# Altium PCB Urukul.PcbDoc (part 10 of 12)
Units mm, origin at the board's own origin, x right, y up, seen from the top; angles counter-clockwise.
Board outline 160.99 x 100 mm, 6 copper layers (L1, P2, L3, L4, P5, L6), stack 1.648 mm thick; 971 components, 541 nets, 3373 pads, 2358 vias.
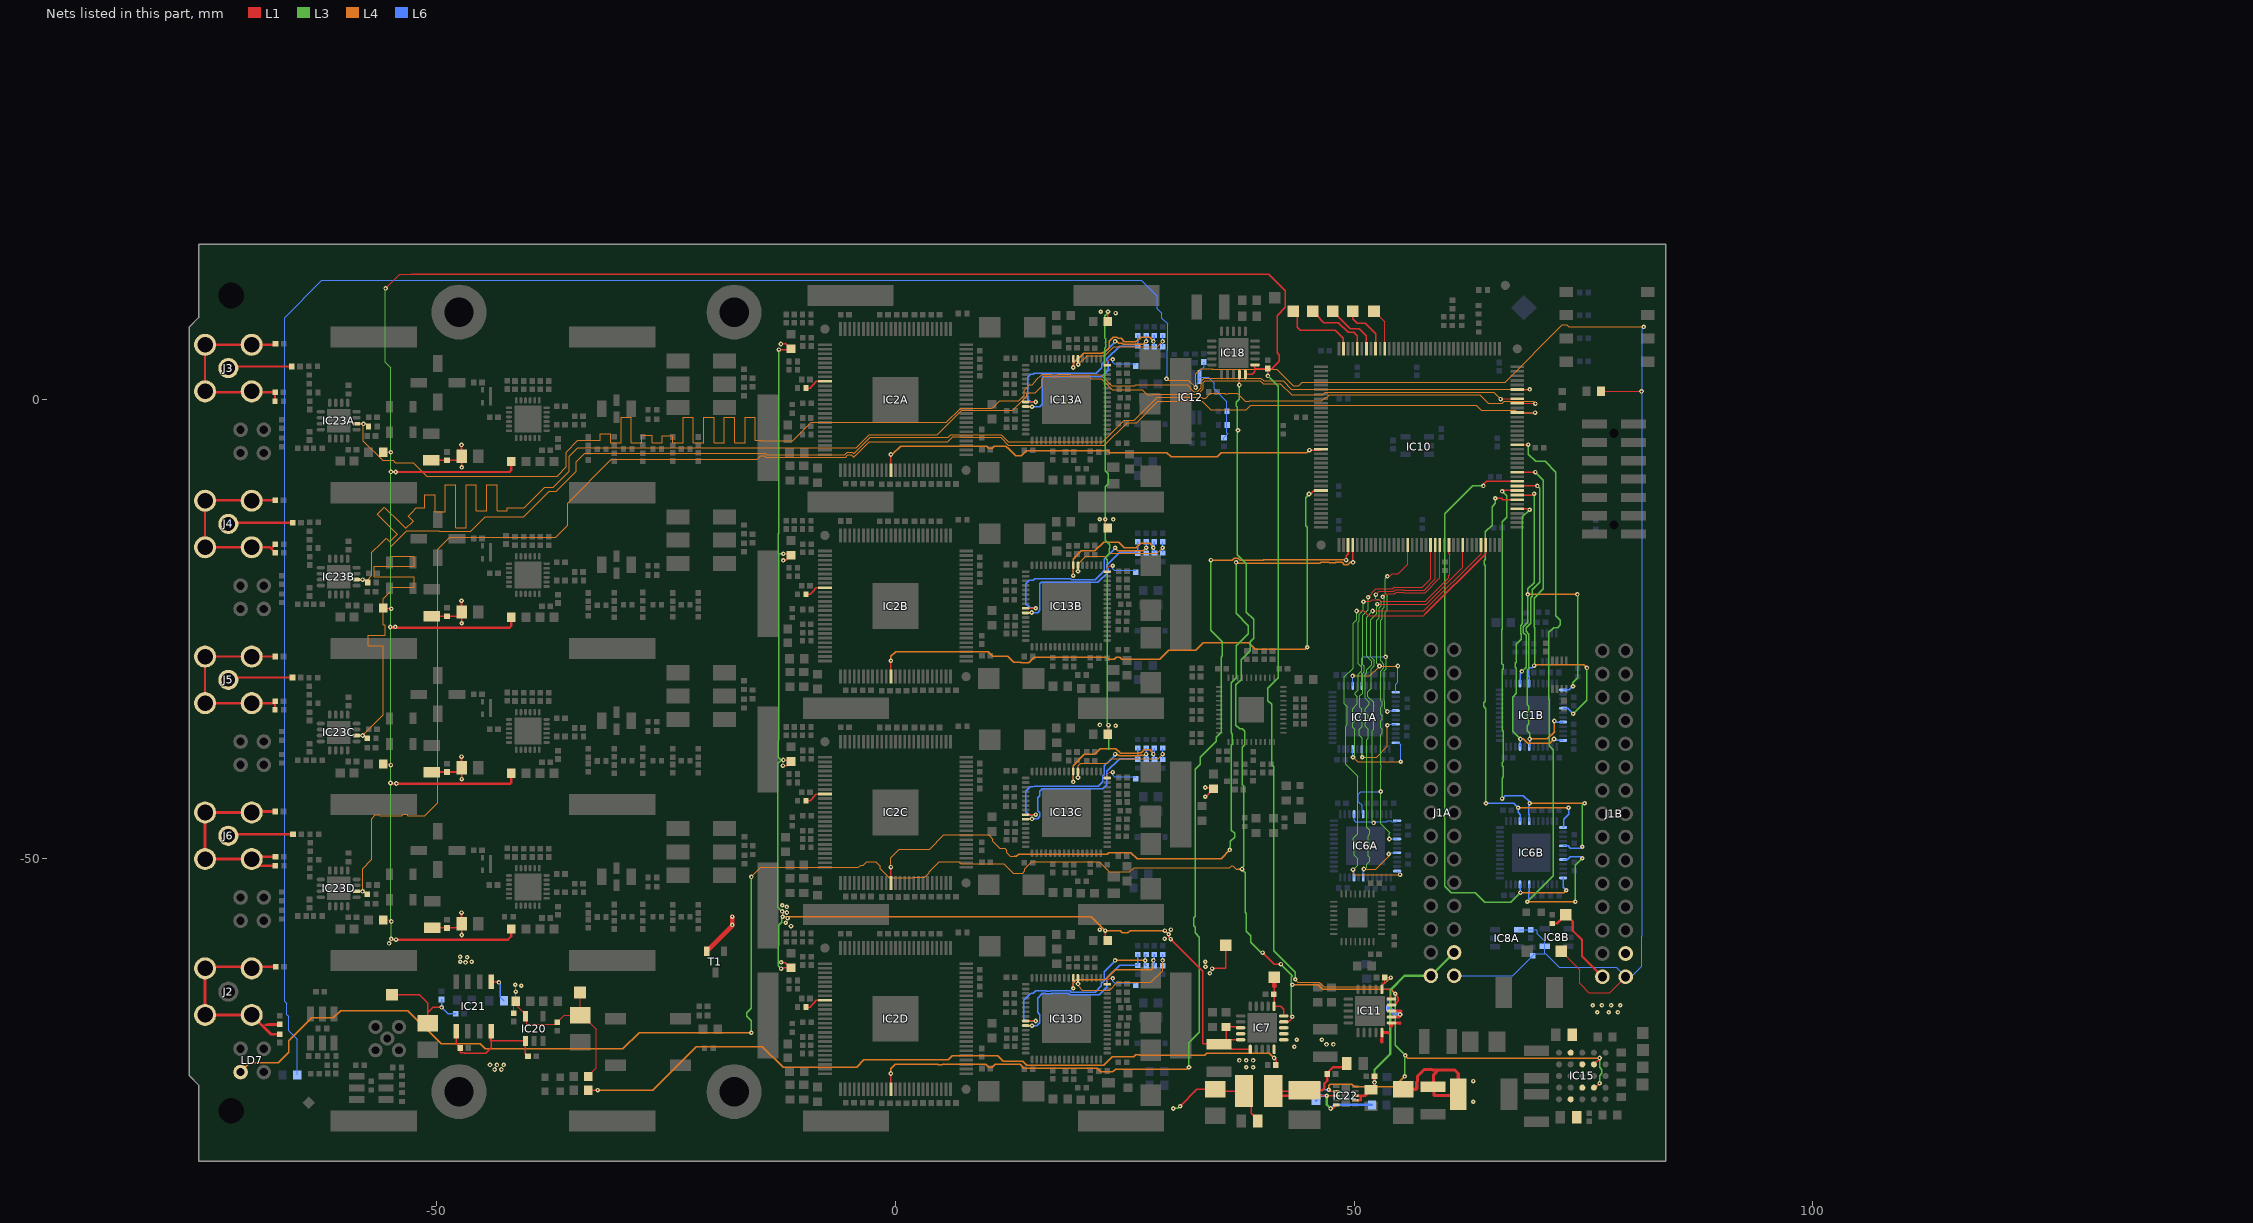
[diagram p14: the nets of this part, all layers, seen from the top]

## Via types
v1: diameter 0.5, hole 0.2, L1 to L6, tented both sides, 2267 vias
v2: diameter 0.6, hole 0.3, L1 to L6, tented both sides, 88 vias
v3: diameter 0.5, hole 0.2, L1 to L6, 3 vias

## Nets (pads, with @x,y where several pads share a name; then routed paths per layer and width w, separated by ;. In a path a pad name is that pad's centre, name@x,y a point inside that pad or via, vN(x,y) a via of type N, cw(c..) or ccw(c..) an arc to the next point about the centre after c; other vN are vias at no path point) (continued)
P3V3_MP: C10A.2 C10B.2 C48.2 IC8A.4 IC8B.4 IC12.8 J1A.30 J1B.30 R116.2 R120.1 R121.2 R122.2 R143.2 TP14.1 | length 372.8
  L1 w0.127: v1(32.728,1.331) v1@32.728,1.433 ; TP14.1@72.6,-60.153 74.6,-62.153 74.6,-63.653 75.6,-64.653 77.9,-64.653 J1B.30@79.62,-62.933 ; R116.2@76.937,0.925 81.318,0.925 v1(81.344,0.9)
  L4 w0.127: v1(29.553,2.271) 29.68,2.144 31.915,2.144 v1(32.728,1.331) 32.728,2.805 33.286,3.363 34.532,3.363 34.557,3.338 41.567,3.338 43.371,1.535 43.955,1.535 44.336,1.916 66.485,1.916 72.718,8.148 73.211,8.148 73.424,7.935 v1(81.598,7.935)
  L6 w0.127: R143.2@-65.252,-73.624 -65.252,-69.75 -66.179,-68.823 -66.179,-67.223 -66.357,-67.045 -66.357,-65.852 -66.611,-65.598 -66.611,8.951 -62.547,13.015 26.814,13.015 28.537,11.292 28.537,9.934 29.038,9.433 29.038,8.904 29.68,8.262 29.68,5.443 29.631,5.394 29.631,2.349 v1@29.591,2.309 ; v1(29.553,2.271) 29.561,2.264 v1@29.637,2.264 ; v1(32.728,1.331) 32.91,1.513 32.91,1.805 33.144,2.04 IC12.8@33.144,2.465 ; C48.2@33.617,4.107 33.668,4.056 33.668,3.567 33.144,3.043 IC12.8@33.144,2.465 ; R120.1@35.789,-4.358 R120.1@35.789,-4.153 ; R120.1@35.814,-4.153 36.245,-3.721 36.119,-3.595 36.119,-2.758 36.119,-1.259 36.119,-0.204 34.735,1.18 34.735,1.814 34.084,2.465 IC12.8@33.144,2.465 ; J1A.30@60.917,-62.822 67.281,-62.822 C10B.2@69.475,-60.628 69.675,-60.428 70.779,-60.428 ; IC8A.4@67.975,-57.778 67.989,-57.792 69.275,-57.792 70,-57.792 70,-58.263 70.779,-59.042 70.779,-59.578 70.779,-60.428 ; v1(81.598,7.935) 81.42,7.758 81.42,0.9 81.42,-58.46 81.369,-58.511 81.369,-61.788 80.224,-62.933 J1B.30@79.62,-62.933 78.605,-61.917 72.404,-61.917 70.914,-60.428 70.779,-60.428
P3V3A: C78.2 IC7.1 IC7.18 IC7.19 IC7.20 L14.2 L15A.2 L15B.2 L15C.2 L15D.2 L18A.2 L18B.2 L18C.2 L18D.2 R23.2 T1.2 TP13.1 | length 210.4
  L1 w0.152: v1(-12.721,5.458) -11.489,5.458 L15A.2@-11.4,5.547 -12.016,6.164 -12.05,6.13 -12.05,6.097 -12.475,6.097 v1(-12.5,6.072) ; v1(-12.475,-61.353) -12.425,-61.403 -12,-61.403 ; v1(-12.471,-62.042) -12.382,-61.953 L15D.2@-11.45,-61.953 ; v1(-12.275,-39.903) -11.85,-39.903 L15C.2@-11.4,-39.453 -11.561,-39.292 v1(-12.221,-39.292) ; v1(-12.25,-17.528) -12.225,-17.503 -12,-17.503 -12.016,-17.519 -12.016,-17.528 -12.016,-17.569 L15B.2@-11.4,-16.953 -11.543,-16.809 -12.221,-16.809 v1(-12.221,-16.792) ; -12.041,-61.361 -12,-61.403 ; L15D.2@-11.4,-61.953 L15D.2@-11.45,-61.953 ; v1(22.878,-57.891) 22.878,-58.721 L18D.2@23.148,-58.991 ; v1(22.878,-13.042) 22.878,-13.721 L18B.2@23.148,-13.991 ; L18C.2@23.148,-36.491 23.148,-35.791 23.098,-35.741 23.077,-35.741 23.226,-35.592 v1(23.226,-35.49) ; L18A.2@23.148,8.509 23.148,9.209 23.098,9.259 23.175,9.335 v1(23.175,9.595) ; v1(29.779,-58.292) 29.779,-58.58 v1(30.02,-58.821) 33.529,-62.33 33.529,-70.229 33.539,-70.24 34.051,-70.24 34.331,-70.52 34.727,-70.52 35.007,-70.24 35.007,-70.103 35.279,-70.103 C78.2@35.88,-70.103 ; v1(33.779,-43.292) 33.895,-43.176 33.943,-43.176 L14.2@34.693,-42.426 34.559,-42.292 v1(33.779,-42.292) ; v1(34.529,-62.042) 34.571,-62 36,-62 TP13.1@36,-59.5 ; IC7.20@37.637,-69.794 36.189,-69.794 C78.2@36.05,-69.933 ; IC7.18@37.637,-68.494 37.546,-68.403 R23.2@36.05,-68.403 C78.2@36.05,-69.933 ; IC7.1@38.687,-70.844 36.702,-70.844 35.961,-70.103 C78.2@35.88,-70.103 ; -12,-61.403 L15D.2@-11.45,-61.953 ; C78.2@35.88,-70.103 C78.2@36.05,-69.933
  L1 w0.5: T1.2@-20.584,-60.166 -17.805,-57.387 v1(-17.805,-57.277) v1(-17.805,-56.363)
  L3 w0.152: v1(-12.721,5.458) -12.721,-10.292 -12.721,-14.57 -12.797,-14.647 -12.797,-16.716 -12.721,-16.792 ; v1(-12.471,-62.042) -12.797,-61.716 -12.797,-61.353 -12.797,-59.647 -12.721,-59.57 -12.721,-57.292 -12.4,-56.971 -12.4,-56.381 v1(-12.311,-56.381) ; v1@-12.221,-56.203 -12.221,-55.798 -12.221,-55.792 -12.373,-55.792 -12.4,-55.792 -12.826,-55.366 -12.826,-39.647 v1@-12.471,-39.292 ; v1(-12.221,-39.292) v1@-12.471,-39.292 ; v1(-12.221,-16.792) -12.721,-16.792 ; v1(23.175,9.595) 23.175,9.465 22.843,9.133 22.843,6.714 22.911,6.645 22.911,6.249 22.844,6.182 22.916,6.11 22.916,5.714 22.843,5.641 22.843,1.48 22.878,1.445 22.878,-7.737 23.203,-8.062 23.203,-9.188 22.878,-9.513 v1(22.878,-13.042) 22.878,-15.329 23.356,-15.807 23.356,-16.203 23.29,-16.269 23.29,-16.813 22.878,-17.226 23.104,-17.452 23.104,-35.369 v1(23.226,-35.49) 23.226,-38.149 ; -12.721,-16.792 -12.721,-37.07 -12.797,-37.147 -12.797,-38.966 v1@-12.471,-39.292
  L4 w0.152: v1(-12.311,-56.381) -11.763,-56.381 21.368,-56.381 v1(22.878,-57.891) 24.487,-57.891 24.701,-58.106 24.923,-58.106 24.97,-58.153 25.35,-58.153 25.611,-57.891 v1(29.378,-57.891) v1(29.779,-58.292)
  other v1: 38.25,-72.803 39,-72.803 37.5,-72.053 38.25,-72.053 39,-72.053 34.279,-62.542 33.8,-61.843 33.779,-61.292 29.347,-58.782 22.279,-57.792 30.029,-57.792 -11.4,-57.403 -11.971,-57.042 -11.763,-56.535 -11.84,-55.925 -12.373,-55.798 -11.865,-55.316 -12.348,-55.138 24,-35.553 22.286,-35.464 23.75,-13.053 22.279,-13.042 24,9.447 22.387,9.595
P3V6: C63.1 C74.1 C75.2 C77.2 C160.1 IC7.5 IC7.6 IC7.7 IC7.8 IC7.10 IC7.11 IC11.5 IC11.6 IC11.7 IC11.8 L2.2 R5.2 TP15.1 | length 107.9
  L1 w0.152: R5.2@-33.495,-75.297 -32.477,-75.297 v1(-32.471,-75.292) ; C63.1@41.229,-72.542 41.354,-72.417 41.529,-72.242 41.529,-72.042 v1(41.279,-71.792) ; 41.3,-63.952 41.287,-63.966 41.287,-64.853 IC7.11@41.287,-66.144 42.012,-66.144 42.337,-66.469 IC7.10@42.337,-67.194
  L1 w0.35: 53.037,-69.739 IC11.5@53.037,-69.011 53.697,-69.011 53.718,-69.032 ; 54.059,-68.339 54.087,-68.339 IC11.6@54.087,-67.961 54.983,-67.961 55.013,-67.99 ; IC11.7@54.087,-67.311 54.918,-67.311 54.937,-67.33 ; IC11.8@54.087,-66.661 55.029,-66.661 55.08,-66.661 55.115,-66.695 ; C74.1@55.35,-75.203 55.351,-75.204 56.766,-75.204 56.842,-75.128 56.842,-74.417 56.918,-74.34 56.918,-73.782 57.655,-73.045 58.493,-73.045 58.544,-73.096 59.179,-73.096 ; 59.179,-73.096 60.982,-73.096 61.365,-73.479 L2.2@61.365,-75.75 61.251,-75.864 58.722,-75.864 58.722,-75.024 C75.2@58.6,-74.903 58.671,-74.832 58.671,-73.604 59.179,-73.096
  L1 w0.406: 53.032,-69.997 53.037,-69.992 53.037,-69.739
  L1 w0.5: TP15.1@41.3,-62.992 41.3,-63.952 41.35,-63.903
  L4 w0.152: v1(-32.471,-75.292) -26.471,-75.292 -21.721,-70.542 -14.532,-70.542 -12.267,-72.807 -4.254,-72.807 -3.447,-72 5.727,-72 6.202,-71.525 11.147,-71.525 11.75,-72.128 13.862,-72.128 14.297,-72.562 22.717,-72.562 23.619,-71.661 25.97,-71.661 26.189,-71.442 26.585,-71.442 26.643,-71.5 33.714,-71.5 33.942,-71.272 40.759,-71.272 v1(41.279,-71.792)
  L6 w0.152: v1(55.029,-67.042) v1@55.072,-66.998
  L6 w0.5: C160.1@53.823,-66.363 54.502,-67.042 v1(55.029,-67.042)
  other v1: 63,-76.553 63,-74.303 43.5,-70.553 47,-70.303 47.75,-70.303 43.75,-69.803 46.5,-69.803
P5V0A: C79.1 C165.2 C168.2 C170.2 C173.2 IC11.10 IC11.11 IC18.10 IC18.11 IC20.5 L6A.2 L6B.2 L6C.2 L6D.2 L7A.1 L7B.1 L7C.1 L7D.1 R131.2 R139.2 TP16.1 | length 373.2
  L1 w0.127: L6D.2@-55.875,-56.728 -55.15,-56.728 v1(-54.975,-56.903) ; L6C.2@-55.875,-39.728 -55.15,-39.728 v1(-55.025,-39.853) ; L6B.2@-55.875,-22.728 -55.05,-22.728 v1(-54.975,-22.803) ; L6A.2@-55.875,-5.728 v1(-55.025,-5.728) ; v1(-55.601,12.141) -54.057,13.685 -52.819,13.685 ; v1(-55.096,-24.786) -55.071,-24.811 -54.55,-24.811 -47.525,-24.811 -47.493,-24.843 -44.003,-24.843 ; v1(-55.02,-7.87) -54.969,-7.819 -54.5,-7.819 -47.517,-7.819 -47.493,-7.843 -44.351,-7.843 ; v1(-54.995,-58.797) -54.918,-58.873 v1(-54.471,-58.873) ; C173.2@-41.62,-66.903 -41.62,-65.803 R131.2@-41.42,-65.603 ; v1(-41.471,-63.792) -41.42,-63.844 v1(-41.42,-64.542) R131.2@-41.42,-65.603 ; TP16.1@-34.4,-64.653 -34.37,-64.683 C79.1@-34.37,-67.153 ; R139.2@-33.495,-73.797 -33.495,-73.747 -32.62,-72.872 -32.62,-68.644 -34.111,-67.153 C79.1@-34.37,-67.153 ; 53.87,-64.968 53.87,-64.437 53.744,-64.311 IC11.11@53.037,-64.311 53.061,-64.287 53.061,-63.576 53.315,-63.576 53.34,-63.551 C165.2@53.34,-63 53.983,-63 v1(54,-63.017) ; R131.2@-41.42,-65.603 -41.42,-65.972 -40.35,-67.042 IC20.5@-40.35,-67.231 -40.221,-67.36 -40.221,-68.106 -37.073,-68.106 C170.2@-36.87,-67.903 -36.12,-67.153 C79.1@-34.37,-67.153
  L1 w0.152: -52.819,13.672 40.709,13.672 42.494,11.887 42.494,10.058 41.6,9.164 41.6,5.097 41.85,4.847 41.85,4.244 41.803,4.197 41.803,4.16 41.11,3.467 41.11,3.397 C168.2@40.6,3.397 ; IC18.10@38.15,2.747 38.9,2.747 39.2,3.047 39.2,3.397 ; IC18.11@39.2,3.797 39.2,3.397 ; v1(40.6,2.597) C168.2@40.6,3.397 ; 53.87,-64.968 53.87,-65.298 53.933,-65.361 IC11.10@54.087,-65.361 ; 39.2,3.397 C168.2@40.6,3.397
  L1 w0.254: v1(-55.071,-41.804) -54.993,-41.882 -54.425,-41.882 -42.004,-41.882 -41.875,-41.753 -41.9,-41.728 L7C.1@-41.9,-40.728 ; v1@-55.071,-24.811 -55.001,-24.882 -54.55,-24.882 -47.091,-24.882 -47.087,-24.878 -42.1,-24.878 -41.9,-24.678 L7B.1@-41.9,-23.728 ; v1(-55.02,-7.87) -55.008,-7.882 v1(-54.5,-7.882) -42.104,-7.882 -41.9,-7.678 L7A.1@-41.9,-6.728 ; v1(-54.471,-58.873) -54.463,-58.882 -42.279,-58.882 -41.9,-58.503 L7D.1@-41.9,-57.728
  L3 w0.127: v1(-55.601,12.141) -55.651,12.09 -55.651,4.089 -55.025,3.463 v1(-55.025,-5.728) -55.025,-7.87 -55.025,-22.803 -55.025,-24.786 v1(-55.025,-39.853) -55.025,-41.804 -55.025,-56.853 v1(-54.975,-56.903) -54.995,-56.922 v1(-54.995,-58.797)
  L3 w0.152: v1(40.6,2.597) 41.757,1.441 41.757,-3.418 41.732,-3.443 41.732,-4.05 41.757,-4.075 41.757,-30.314 40.594,-31.477 40.594,-32.823 41.005,-33.234 41.005,-39.813 41.234,-40.042 41.234,-60.096 43.586,-62.449 v1(43.586,-63.195)
  L4 w0.127: v1(43.586,-63.195) 43.586,-63.246 43.866,-63.526 46.196,-63.526 46.703,-64.033 52.984,-64.033 v1(54,-63.017)
  other v1: -40.815,-63.913 -55.221,-59.292 -54.425,-41.853 -54.55,-24.778
P7V0A: C12A.2 C12B.2 C12C.2 C12D.2 C27A.2 C27B.2 C27C.2 C27D.2 C155.1 C175.2 C177.2 IC21.1 R133.2 R137A.1 R137B.1 R137C.1 R137D.1 TP17.1 | length 38.8
  L1 w0.17: TP17.1@-54.9,-64.903 -51.9,-64.903 -51,-65.803 -51,-66.821 ; C155.1@-51,-68.003 -51,-66.821 ; R137D.1@-50.9,-57.603 R137D.1@-50.524,-57.604 C27D.2@-48.9,-57.603 -47.75,-57.603 C12D.2@-47.3,-57.153 ; R137C.1@-50.9,-40.603 -50.549,-40.603 C27C.2@-48.9,-40.603 -47.75,-40.603 C12C.2@-47.3,-40.153 ; R137B.1@-50.9,-23.603 -50.575,-23.603 C27B.2@-48.9,-23.603 -47.75,-23.603 C12B.2@-47.3,-23.153 ; R137A.1@-50.9,-6.603 -50.6,-6.603 C27A.2@-48.9,-6.603 -47.75,-6.603 C12A.2@-47.3,-6.153 ; v1(-49.5,-66.263) -50.443,-66.263 -51,-66.821 ; v1(-47.325,-55.928) -47.325,-57.128 C12D.2@-47.3,-57.153 ; v1(-47.325,-38.928) -47.325,-40.128 C12C.2@-47.3,-40.153 ; v1(-47.325,-21.928) -47.325,-23.128 C12B.2@-47.3,-23.153 ; v1(-47.325,-4.928) -47.325,-6.128 C12A.2@-47.3,-6.153 ; v1(-47.3,-58.378) C12D.2@-47.3,-57.153 ; v1(-47.3,-41.378) C12C.2@-47.3,-40.153 ; v1(-47.3,-24.378) C12B.2@-47.3,-23.153 ; v1(-47.3,-7.378) C12A.2@-47.3,-6.153 ; IC21.1@-44.095,-63.467 -43.325,-63.467 v1(-43.25,-63.542)
  L6 w0.17: C175.2@-49.5,-65.403 v1(-49.5,-66.263) -48.811,-66.953 C177.2@-47.95,-66.953 ; v1@-43.12,-63.672 -43.12,-65.133 R133.2@-42.7,-65.553
  other v1: -46.892,-61.361 -47.471,-61.292 -46.221,-61.292 -46.721,-60.792 -47.476,-60.751
P7V5: C178.2 C179.2 IC22.8 IC22.10 L4.2 L5.1 R53.2 R134.2 | length 26.4
  L1 w0.152: L5.1@41.2,-75.403 44.5,-75.403 L4.2@44.6,-75.303 45.2,-75.903 v1(47.029,-75.903) IC22.8@48.05,-75.903
  L1 w0.254: L5.1@41.2,-75.403 41.7,-75.903 44.6,-75.903 L4.2@45.2,-75.903 ; L4.2@44.6,-75.303 46.552,-75.303 46.737,-75.117 46.737,-74.616 47.079,-74.274 C178.2@47.079,-73.542 47.079,-73.428 47.714,-72.792 48.811,-72.792 C179.2@49.2,-72.403 ; v1(47.45,-77.292) 47.661,-77.292 IC22.10@48.05,-76.903
  L3 w0.254: v1(47.029,-75.903) 47.029,-76.871 v1(47.45,-77.292)
  L6 w0.254: R53.2@45.847,-76.441 46.438,-75.85 46.491,-75.903 v1(47.029,-75.903) ; v1(47.45,-77.292) 47.839,-76.903 R134.2@51.95,-76.903
P7V5A: C156.1 C171.2 C174.2 C183.2 IC20.1 IC21.5 IC21.8 L5.2 | length 27.3
  L1 w0.152: IC21.5@-47.905,-68.867 -47.905,-70.23 -47.927,-70.251 C174.2@-47.475,-70.703 -47.475,-71.213 -47.441,-71.213 -47.431,-71.203 -47.018,-71.203 -46.95,-71.27 -44.699,-71.27 -44.095,-70.666 -44.095,-69.931 ; C171.2@-40.07,-71.603 -40.35,-71.322 IC20.1@-40.35,-69.931 -44.095,-69.931 ; v1(31.029,-77.042) 32.868,-75.203 C156.1@34.85,-75.203 35.05,-75.403 L5.2@38,-75.403 38.779,-76.181 38.779,-77.816 39.5,-78.538 C183.2@39.5,-78.653 ; -44.095,-69.931 -44.207,-69.931 -44.207,-68.979 IC21.8@-44.095,-68.867 -44.095,-69.931
  L3 w0.152: v1(30.279,-77.292) 30.779,-77.292 v1(31.029,-77.042)
  other v1: -43.721,-73.042 -42.971,-73.042 -44.221,-72.542 -43.471,-72.542 -42.721,-72.542
P12V0: C64.2 C70.2 C181.2 C182.2 IC15.A2 IC15.B3 IC15.D3 IC15.E2 IC22.2 IC22.3 J1A.28 J1A.29 J1B.28 J1B.29 R33.2 TP18.1 | length 34.5
  L1 w0.254: IC22.2@50.15,-76.403 50.7,-76.403 50.75,-76.353 50.75,-75.931 50.779,-75.903 ; IC22.3@50.15,-75.903 50.779,-75.903 ; C181.2@52.229,-73.792 v1(52.229,-74.453) 52.229,-74.874 C182.2@51.85,-75.253 51.184,-75.919 51.167,-75.903 50.779,-75.903 ; R33.2@71.6,-57.123 72.13,-57.123 TP18.1@73.1,-56.153 73.85,-56.903 ; 73.876,-56.929 73.85,-56.903 ; J1B.29@77.08,-62.933 74.85,-60.702 74.85,-58.903 73.85,-57.903 73.85,-56.903
  L3 w0.254: v1(52.229,-74.453) 52.229,-73.065 53.962,-71.332 53.962,-64.359 55.499,-62.822 J1A.29@58.377,-62.822 J1A.28@60.917,-60.282
  other v1: 76.529,-66.792 77.779,-66.792 78.779,-66.792 76.029,-66.042 77.029,-66.042 78.029,-66.042 79.029,-66.042
PGOOD: IC7.9 IC11.9 IC15.B4 IC15.D4 IC18.9 IC22.7 LD7.2 R53.1 | length 274
  L1 w0.152: v1(37.5,1.597) IC18.9@37.5,2.747 ; v1(40.029,-60.292) 41.279,-61.542 v1(42.029,-61.542) ; IC7.9@42.337,-67.844 42.835,-67.844 43.137,-67.542 ; v1(47.241,-75.254) 47.389,-75.403 IC22.7@48.05,-75.403 ; IC11.9@54.087,-66.011 54.437,-66.011 54.673,-65.775 54.673,-65.695 54.84,-65.528 54.84,-65.194 v1@54.604,-64.958 ; IC15.D4@76.16,-75.02 76.301,-75.02 v1(76.779,-74.542) ; IC15.B4@76.16,-72.48 76.779,-71.861 v1(76.779,-71.792)
  L3 w0.152: v1(-15.721,-69.042) -15.721,-67.718 -16.199,-67.24 -16.199,-66.844 -15.721,-66.366 v1@-15.721,-52.042 ; v1(37.5,1.597) 37.5,0.036 37.162,-0.302 37.162,-0.698 37.25,-0.786 37.25,-3.342 37.25,-16.903 38.25,-17.903 38.25,-23.154 39.053,-23.957 39.053,-25.999 38.672,-26.38 38.672,-27.396 37.686,-28.382 37.686,-30.534 37.118,-31.102 37.118,-35.488 37.54,-35.909 37.818,-35.909 38.083,-36.175 38.083,-37.62 37.822,-37.882 37.822,-38.257 37.822,-41.615 37.822,-41.991 37.948,-42.117 37.948,-50.856 v1@37.75,-51.054 ; v1(37.783,-51.196) 37.783,-51.207 38.102,-51.526 38.113,-51.526 38.113,-55.905 38.265,-56.057 38.265,-57.992 38.757,-58.483 38.757,-59.159 39.889,-60.292 v1(40.029,-60.292) ; v1(42.029,-61.542) 43.278,-62.792 43.278,-62.863 43.133,-63.008 43.133,-63.792 43.133,-67.147 v1(43.278,-67.292) ; v1(54.491,-64.784) 54.491,-70.41 v1(55.583,-71.502) 55.528,-71.557 v1(55.528,-73.792) ; v1(76.779,-74.542) 76.779,-73.718 77.031,-73.466 77.031,-73.061 76.779,-72.808 v1(76.779,-71.792)
  L4 w0.127: v1(-15.721,-52.042) -14.677,-50.998 -4.067,-50.998 -3.813,-50.744 -3.497,-50.744 -3.116,-50.363 -2.162,-50.363 -1.668,-50.857 -1.668,-51.162 -0.69,-52.14 1.894,-52.14 1.944,-52.09 3.206,-52.09 3.705,-51.59 3.705,-51.455 4.781,-50.38 6.897,-50.38 7.134,-50.617 11.782,-50.617 12.812,-51.647 13.848,-51.647 14.106,-51.389 14.106,-51.164 14.863,-50.406 22.242,-50.406 23.308,-51.473 25.561,-51.473 26.018,-51.016 36.458,-51.016 36.643,-50.83 36.771,-50.83 37.137,-51.196 37.25,-51.196
  L4 w0.152: LD7.2@-71.42,-73.323 -70.417,-72.32 -67.317,-72.32 -66.15,-71.153 -66.15,-69.903 -63.65,-67.403 -61.295,-67.403 -60.516,-66.624 -53.179,-66.624 -49.56,-70.243 -45.271,-70.243 -44.721,-70.792 -29.721,-70.792 -27.971,-69.042 v1(-15.721,-69.042) ; 37.25,-51.196 v1(37.783,-51.196) ; v1(43.279,-63.792) 46.085,-63.792 46.604,-64.311 54.018,-64.311 v1(54.491,-64.784) ; v1(47.241,-75.254) 47.241,-74.83 47.418,-74.653 49.774,-74.653 50.052,-74.931 54.39,-74.931 v1(55.528,-73.792) ; v1@55.569,-71.502 v1(55.583,-71.502) 55.873,-71.792 v1(76.779,-71.792)
  L6 w0.152: v1(37.351,-3.342) v1@37.447,-3.342 ; R53.1@45.847,-74.841 46.26,-75.254 v1(47.241,-75.254)
R\E\_DE0: IC1A.1 IC1A.40 IC10.58 | length 28.8
  L1 w0.127: v1(52.39,-21.25) 52.758,-20.882 54.316,-20.882 54.481,-20.718 55.406,-20.718 55.443,-20.755 57.635,-20.755 58.85,-19.54 IC10.58@58.85,-15.853
  L3 w0.127: v1(52.39,-21.25) 52.39,-21.683 52.489,-21.783 52.677,-21.783 52.994,-22.099 52.994,-22.485 52.773,-22.706 52.773,-23.769 52.498,-24.044 52.498,-28.761 v1(52.778,-29.042)
  L4 w0.127: v1(49.85,-30.113) 51.707,-30.113 v1(52.778,-29.042) v1(54.779,-29.042)
  L6 w0.127: IC1A.40@49.85,-31.203 v1(49.85,-30.113) ; IC1A.1@54.55,-31.903 54.55,-31.021 54.779,-30.792 v1(54.779,-29.042)
R\E\_DE1: IC1A.5 IC1A.42 IC10.52 | length 26.8
  L1 w0.127: v1(53.64,-19.25) 53.89,-19.25 54.14,-19 54.81,-19 55.85,-17.96 IC10.52@55.85,-15.853
  L3 w0.127: v1(53.64,-34) 53.345,-33.704 53.345,-32.844 53.313,-32.813 53.313,-29.56 53.523,-29.35 53.523,-28.117 v1(53.448,-28.042) 53.39,-27.984 53.39,-23.158 53.605,-22.943 53.605,-21.693 53.606,-21.307 53.39,-21.092 53.39,-19.5 v1(53.64,-19.25)
  L6 w0.127: IC1A.42@50.85,-31.203 50.85,-30.377 50.849,-28.221 51.029,-28.042 v1(53.448,-28.042) ; v1(53.64,-34) 53.737,-33.903 IC1A.5@54.55,-33.903
R\E\_DE2: IC1A.8 IC1A.19 IC10.57 | length 37.3
  L1 w0.127: v1(51.529,-21.542) 51.925,-21.146 51.925,-21.057 52.378,-20.603 54.2,-20.603 54.34,-20.464 55.511,-20.464 55.524,-20.476 57.414,-20.476 58.35,-19.54 IC10.57@58.35,-15.853
  L3 w0.127: v1(50.89,-39) 50.89,-36.943 50.55,-36.603 50.55,-35.953 50.875,-35.628 50.875,-35.086 50.634,-34.845 50.634,-34.46 50.675,-34.419 50.675,-34.236 50.815,-34.095 50.815,-33.71 50.634,-33.529 50.634,-32.306 50.932,-32.008 50.932,-29.873 51.119,-29.686 51.119,-29.069 50.932,-28.882 50.932,-23.504 51.529,-22.907 v1(51.529,-21.542)
  L4 w0.127: v1(50.89,-39) 52.453,-39 53.64,-37.813 v1(53.64,-35.5)
  L6 w0.127: IC1A.19@50.85,-38.103 50.85,-38.96 v1(50.89,-39) ; v1(53.64,-35.5) 53.737,-35.403 IC1A.8@54.55,-35.403
R\E\_DE3: IC1A.12 IC1A.21 IC10.61 | length 41.4
  L1 w0.127: v1(51.029,-22.042) 51.063,-22.008 51.791,-22.008 51.972,-21.827 52.721,-21.827 52.895,-22 57.745,-22 60.35,-19.395 60.35,-19.138 60.419,-19.069 60.419,-16.833 60.35,-16.764 IC10.61@60.35,-15.853
  L3 w0.127: v1(49.89,-39) 50.066,-38.824 50.066,-35.96 49.85,-35.744 49.85,-35.211 50.216,-34.845 50.216,-34.46 49.85,-34.094 49.85,-33.678 50.356,-33.172 50.356,-32.369 50.329,-32.369 50.158,-32.198 50.158,-31.957 50.466,-31.65 50.466,-29.944 50.84,-29.57 50.84,-29.185 50.466,-28.81 50.466,-24.207 50.558,-24.115 50.558,-23.421 51.029,-22.95 v1(51.029,-22.042)
  L4 w0.127: v1(49.89,-39) 50.393,-39.503 51.525,-39.503 51.55,-39.478 v1(55.1,-39.478)
  L6 w0.127: IC1A.21@49.85,-38.103 49.85,-38.96 v1(49.89,-39) ; IC1A.12@54.55,-37.403 54.875,-37.403 55.1,-37.628 v1(55.1,-39.478)
R\E\_DE4: IC6A.1 IC6A.40 IC10.64 | length 44.1
  L1 w0.127: v1(52.14,-46.151) v1@52.14,-46.055 ; v1(52.529,-22.292) 57.848,-22.292 61.85,-18.29 IC10.64@61.85,-15.853
  L3 w0.127: v1(52.14,-46.151) 51.985,-45.995 51.985,-36.11 52.14,-35.954 52.14,-34.851 52.134,-34.845 52.134,-34.46 52.14,-34.454 52.14,-33.351 52.134,-33.345 52.134,-32.994 51.515,-32.375 51.515,-31.862 51.89,-31.486 51.89,-29.364 52.219,-29.036 52.219,-28.419 51.813,-28.013 51.813,-24.013 52.494,-23.332 52.494,-22.559 52.529,-22.524 v1(52.529,-22.292)
  L6 w0.127: IC6A.40@50,-45.203 50,-45.865 50.005,-45.865 50.14,-46 52.14,-46 53.594,-46 53.657,-45.937 54.043,-45.937 54.106,-46 54.603,-46 IC6A.1@54.7,-45.903 ; v1(52.14,-46.151) v1@52.14,-46.055
R\E\_DE5: IC6A.5 IC6A.42 IC10.59 | length 44.4
  L1 w0.127: v1(53.14,-21.5) 53.479,-21.161 54.432,-21.161 54.621,-20.972 55.3,-20.972 55.363,-21.034 57.75,-21.034 59.35,-19.435 IC10.59@59.35,-15.853
  L3 w0.127: v1(53.14,-21.5) 53.273,-21.633 53.273,-22.617 53.052,-22.838 53.052,-23.884 52.89,-24.046 52.89,-28.495 53.244,-28.849 53.244,-29.235 52.89,-29.589 52.89,-31.896 52.915,-31.921 52.915,-32.809 53.065,-32.96 53.065,-33.345 52.89,-33.521 52.89,-34.284 53.065,-34.46 53.065,-34.845 52.89,-35.021 52.89,-35.784 53.065,-35.96 53.065,-36.345 52.89,-36.521 52.89,-39.784 52.941,-39.835 52.941,-40.22 52.89,-40.271 52.89,-42.729 52.89,-43.059 52.916,-43.085 52.916,-43.47 52.89,-43.496 52.89,-46.218 53.89,-47.218 53.85,-47.258 v1(53.85,-47.902)
  L6 w0.127: IC6A.42@51,-45.203 50.886,-45.089 50.886,-44.253 50.46,-43.826 50.46,-43.029 50.759,-42.729 v1(52.918,-42.729) ; v1(53.85,-47.902) IC6A.5@54.7,-47.903
R\E\_DE6: IC6A.8 IC6A.19 IC10.68 | length 51.5
  L1 w0.127: v1(52.029,-23.042) 57.611,-23.042 63.85,-16.803 IC10.68@63.85,-15.853
  L3 w0.127: v1(51.074,-51.178) 51.212,-51.178 51.39,-51 51.39,-50.671 51.715,-50.345 51.715,-49.96 51.534,-49.779 51.534,-49.026 51.715,-48.845 51.715,-48.46 51.534,-48.279 51.534,-47.526 51.715,-47.345 51.715,-46.96 51.39,-46.634 51.39,-43.571 ; 51.39,-43.184 51.39,-37.093 51.566,-36.917 51.566,-35.96 51.209,-35.603 51.209,-35.21 51.481,-34.937 51.49,-34.937 51.566,-34.862 51.566,-34.46 51.2,-34.094 51.2,-33.711 51.675,-33.236 51.675,-33.003 51.236,-32.563 51.236,-29.963 51.398,-29.801 51.398,-29.462 51.94,-28.92 51.94,-28.535 51.361,-27.956 51.361,-23.71 v1(52.029,-23.042) ; 51.391,-43.57 51.391,-43.185
  L4 w0.127: v1(51.074,-51.178) 52.392,-51.178 53.779,-49.792 v1(53.779,-49.542)
  L6 w0.127: IC6A.19@51,-52.103 51,-51.253 v1(51.074,-51.178) ; v1(53.779,-49.542) 53.779,-49.513 53.889,-49.403 IC6A.8@54.7,-49.403
R\E\_DE7: IC6A.12 IC6A.21 IC10.69 | length 55.3